# KiCad board rcbus-ymf262-panel.kicad_pcb (continued)
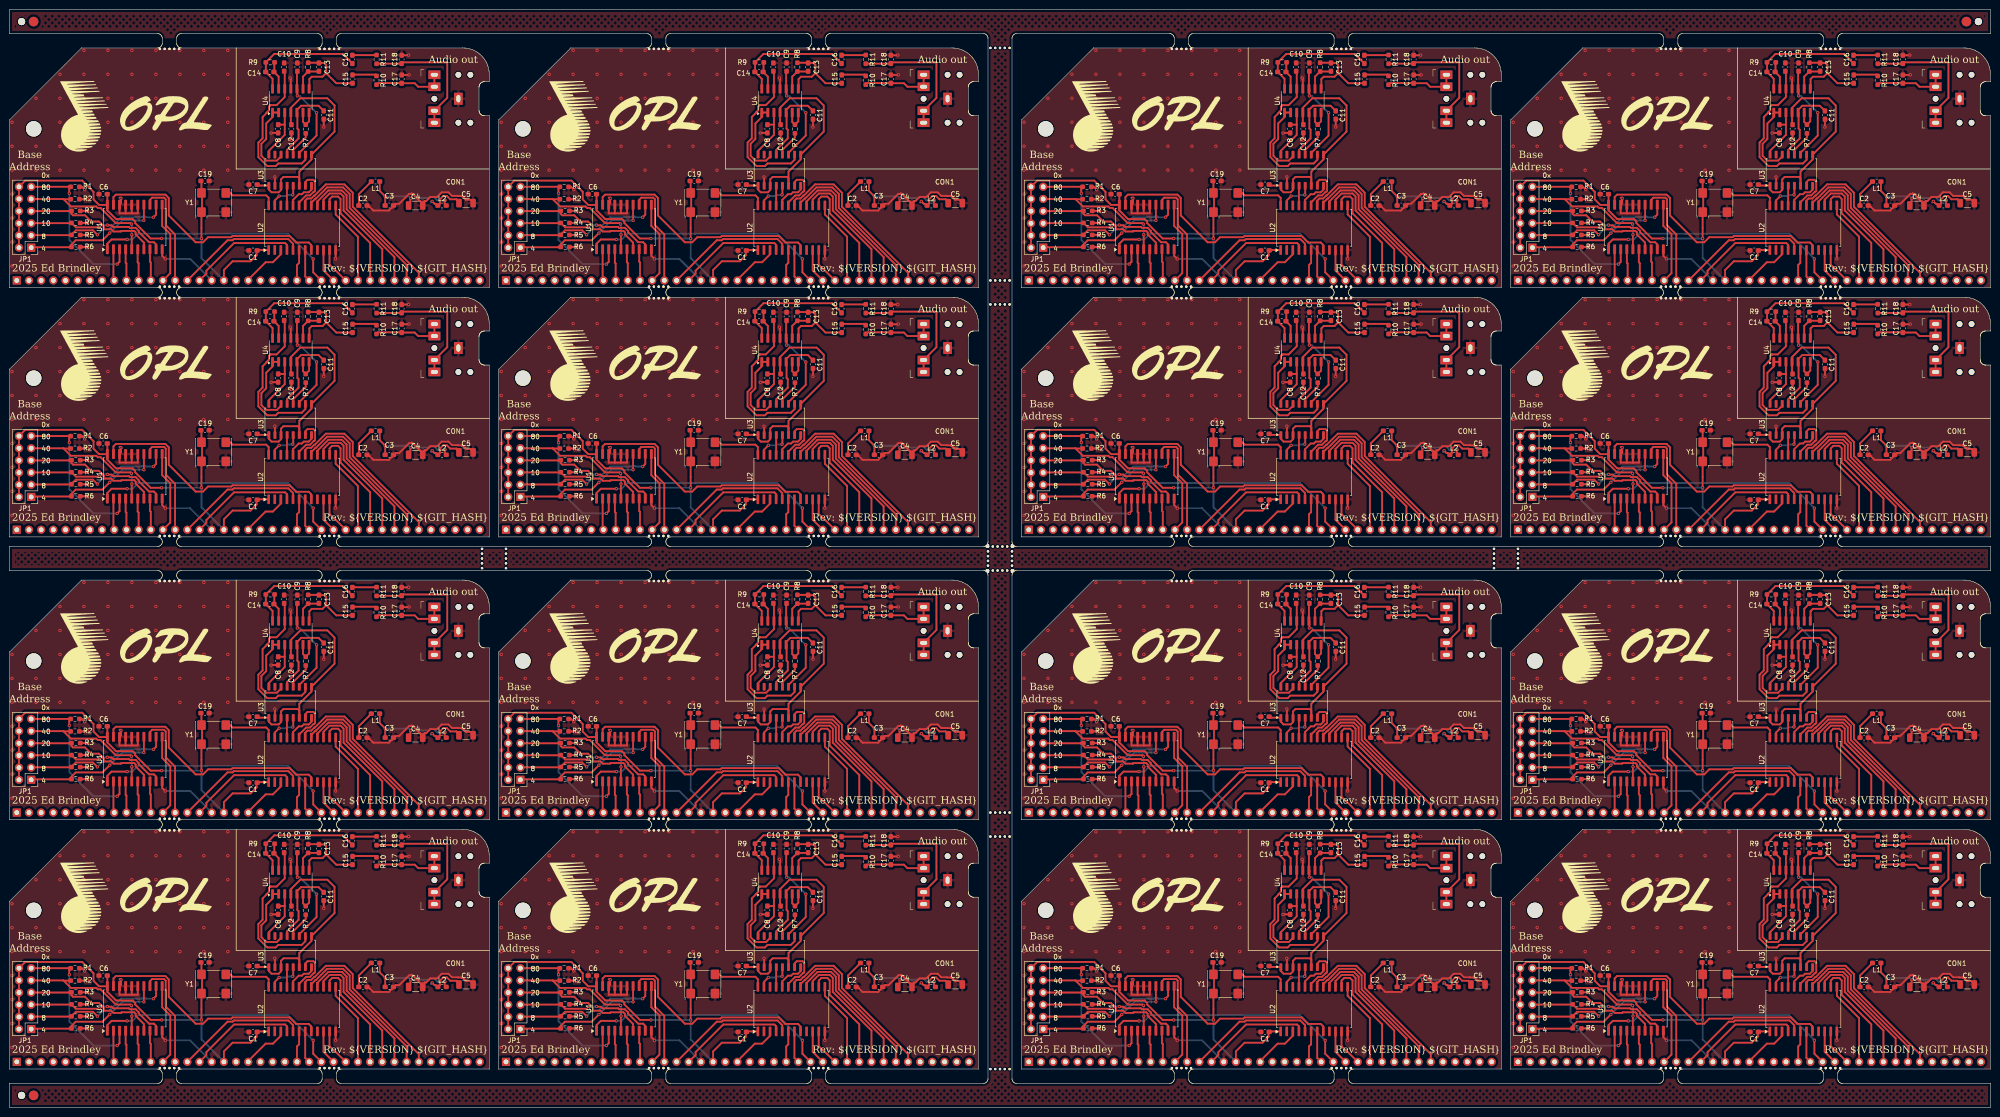
[diagram p0: board, top side]
## Nets (continued)
Board_15-/~{WR}: P1#3.24 U2#12.6
Board_15-GND: C1#16.2 C2#5.2 C3#9.2 C4.2 C5#7.2 C6#2.2 C7#7.2 C8#14.2 C9#16.2 C10#10.2 C11#13.2 C12#5.2 C17#8.2 C18#8.2 C19#6.2 CON1#16.S P1#3.17 R1#15.2 R2#7.2 R3#4.2 R4#7.2 R5#4.2 R6#2.2 U1#6.10 U1#6.15 U1#6.16 U1#6.17 U1#6.18 U2#12.12 U3#2.2 U4#10.11 Y1.2
Board_15-Net-(C3-Pad1): C3#9.1 C4.1 L1#3.1 L2#12.2
Board_15-Net-(C15-Pad2): C15#11.2 R10#5.1
Board_15-Net-(C16-Pad2): C16#14.2 R11#4.1
Board_15-Net-(C17-Pad1): C17#8.1 CON1#16.T CON1#16.TN R10#5.2
Board_15-Net-(C18-Pad1): C18#8.1 CON1#16.R CON1#16.RN R11#4.2
Board_15-Net-(JP1-Pin_1): JP1#5.1 R6#2.1 U1#6.14
Board_15-Net-(JP1-Pin_3): JP1#5.3 R5#4.1 U1#6.12
Board_15-Net-(JP1-Pin_5): JP1#5.5 R4#7.1 U1#6.9
Board_15-Net-(JP1-Pin_7): JP1#5.7 R3#4.1 U1#6.7
Board_15-Net-(JP1-Pin_9): JP1#5.9 R2#7.1 U1#6.5
Board_15-Net-(JP1-Pin_11): JP1#5.11 R1#15.1 U1#6.3
Board_15-Net-(U3-AOUT): C11#13.1 U3#2.13 U4#10.5
Board_15-Net-(U3-CV): C8#14.1 U3#2.16 U4#10.3
Board_15-Net-(U3-MP): U3#2.14 U4#10.1 U4#10.2
Board_15-Net-(U3-SWIN): R7#5.1 U3#2.12
Board_15-Net-(U4B--): R7#5.2 U4#10.6 U4#10.7
Board_15-Net-(U4C--): C13#2.2 R8#10.1 U4#10.9
Board_15-Net-(U4D--): C14#14.1 R9#8.1 U4#10.13
Board_15-unconnected-(P1-Pin_1-Pad1): P1#3.1
Board_15-unconnected-(P1-Pin_2-Pad2): P1#3.2
Board_15-unconnected-(P1-Pin_3-Pad3): P1#3.3
Board_15-unconnected-(P1-Pin_4-Pad4): P1#3.4
Board_15-unconnected-(P1-Pin_5-Pad5): P1#3.5
Board_15-unconnected-(P1-Pin_6-Pad6): P1#3.6
Board_15-unconnected-(P1-Pin_7-Pad7): P1#3.7
Board_15-unconnected-(P1-Pin_8-Pad8): P1#3.8
Board_15-unconnected-(P1-Pin_19-Pad19): P1#3.19
Board_15-unconnected-(P1-Pin_21-Pad21): P1#3.21
Board_15-unconnected-(P1-Pin_23-Pad23): P1#3.23
Board_15-unconnected-(P1-Pin_35-Pad35): P1#3.35
Board_15-unconnected-(P1-Pin_36-Pad36): P1#3.36
Board_15-unconnected-(P1-Pin_37-Pad37): P1#3.37
Board_15-unconnected-(P1-Pin_38-Pad38): P1#3.38
Board_15-unconnected-(P1-Pin_39-Pad39): P1#3.39
Board_15-unconnected-(U2-DOCD-Pad22): U2#12.22
Board_15-unconnected-(U2-TEST-Pad9): U2#12.9
Board_15-unconnected-(U2-~{IRQ}-Pad2): U2#12.2
Board_15-unconnected-(U3-TST2-Pad15): U3#2.15
Board_15-VCC: C1#16.1 C2#5.1 C6#2.1 C19#6.1 JP1#5.2 JP1#5.4 JP1#5.6 JP1#5.8 JP1#5.10 JP1#5.12 L1#3.2 P1#3.18 U1#6.20 U2#12.1 Y1.1 Y1.4

## Via types
v1: diameter 0.686, hole 0.33, Front to Back, 1520 vias

## Routing (per net, layer and track width the routed paths; a pad name or vN(x,y) marks a point on that pad's centre or on a via; arc(x,y) is an arc through that point)
Board_0-+5VA: length 56.5
  Front w0.381: C5.1 93.16,189.42 93.16,189.43 91.87,189.43 91.17,190.12 90.42,190.12 89.72,189.42 89.72,188.57 89.71,188.56 L2#15.1 88.81,188.5 88.59,188.5 v1(88.1,189) ; C7.1 51.81,192.3 54,192.3 U3#12.1 54.06,191.45 54.62,190.89 56.1,190.89 56.6,191.38 U3#12.3 56.6,193.6 57.1,194.1 60.11,194.1 60.4,193.8 U3#12.6 60.4,195.21 62.94,197.75 U3#12.9 67.75,203.56 67.75,209 66.25,210.5 60.61,210.5 58.64,208.52 U4#15.4 58.64,205.11 C12#11.1
  Back w0.381: v1(88.1,189) 87.82,188.72
Board_0-/A0: length 23
  Front w0.381: U2#11.4 57.82,179.93 57.45,180.3 46.8,180.3 41.02,174.52 41.02,173.92 P1.16
Board_0-/A1: length 27.3
  Front w0.381: P1.15 45.44,180.89 46.49,180.89 46.74,181.14 58.12,181.14 59.1,180.16 U2#11.5
Board_0-/A2: length 22.4
  Front w0.381: P1.14 34.5,172.52 34.5,182.09 32.56,184.04 32.56,189.43 32.21,189.77 29.72,189.77 29.27,189.33 U1#2.13
Board_0-/A3: length 17.1
  Front w0.381: 31.8,188.29 31.8,183.89 33.5,182.19 33.5,174.02 P1.13
Board_0-/A4: length 6.6
  Front w0.381: P1.12 29.44,176.26 29.27,176.43 29.27,178.94 29.3,178.97
Board_0-/A5: length 6.6
  Front w0.381: 26.7,178.97 26.7,176.3 26.9,176.1 P1.11
Board_0-/A6: length 6.6
  Front w0.381: 24.2,178.99 24.2,176.2 24.36,176.04 P1.10
Board_0-/A7: length 6.6
  Front w0.381: P1.9 21.65,172.67 U1#2.2
Board_0-/AUDIO_CH1: length 33.2
  Front w0.381: C10#11.1 57.37,216.02 U4#15.12 57.37,210.77 55.67,209.07 54.44,209.07 54.44,209.07 54.41,209.07 54.41,209.06 54.38,209.06 54.37,209.05 54.36,209.05 54.34,209.03 54.33,209.03 54.08,208.78 54.08,208 53.6,207.52 53.6,207.48 53.59,207.47 53.59,207.44 52.75,206.59 52.75,202.15 51.87,201.26 51.87,198.24 53.74,196.37 55.48,196.37 56.02,196.9 60.9,196.9 61.68,197.68 U3#12.10
Board_0-/AUDIO_CH2: length 20.9
  Front w0.381: U3#12.11 60.4,199.13 64,202.72 v1(64,207.5) ; C9#9.1 59.91,216.05 U4#15.10 60,212.38 v1(60,211)
  Back w0.381: v1(64,207.5) 60.5,211 v1(60,211)
Board_0-/CLK: length 10.9
  Front w0.381: U2#11.24 54.01,189.74 53.5,190.25 46.48,190.25 45.38,191.35
Board_0-/D0: length 7.2
  Front w0.381: P1.27 65.44,174.6 U2#11.10
Board_0-/D1: length 7.8
  Front w0.381: 66.7,178.84 66.7,175.79 67.67,174.81 67.77,174.81 P1.28
Board_0-/D2: length 17.6
  Front w0.381: P1.29 72.62,181.63 67.99,186.27 U2#11.13
Board_0-/D3: length 23.6
  Front w0.381: U2#11.14 66.71,189.47 67.25,190 68.5,190 69,189.5 69,186.5 75.16,180.34 P1.30
Board_0-/D4: length 27
  Front w0.381: U2#11.15 65.44,189.35 66.73,190.64 69.01,190.64 69.63,190.01 69.63,187.1 77.7,179.03 P1.31
Board_0-/D5: length 30.2
  Front w0.381: U2#11.16 64.18,188.98 66.46,191.27 69.28,191.27 70.27,190.28 70.27,187.36 80.24,177.39 P1.32
Board_0-/D6: length 33.4
  Front w0.381: U2#11.17 62.9,188.71 63.79,189.6 63.89,189.6 66.2,191.91 69.54,191.91 70.91,190.54 70.91,187.62 82.78,175.75 P1.33
Board_0-/D7: length 37
  Front w0.381: P1.34 85.32,174.11 71.54,187.89 71.54,190.8 69.8,192.54 65.94,192.54 63.63,190.23 63.52,190.23 62.89,189.6 62.08,189.6 61.63,189.15 U2#11.18
Board_0-/DAC_CLK: length 7.2
  Front w0.381: v1(59.04,190.36) 59.13,190.45 U3#12.5 ; U2#11.23 55.29,189.19 v1(56.2,190.1)
  Back w0.381: v1(59.04,190.36) 58.98,190.3 57.93,190.3 57.73,190.1 v1(56.2,190.1)
Board_0-/DOAB: length 4.1
  Front w0.381: U2#11.21 57.82,192.21 U3#12.4
Board_0-/L: length 18.1
  Front w0.381: C15#8.1 68.11,213.64 66,215.75 ; U4#15.8 62.5,212.53 62.5,214.5 63,215 65.25,215 66,215.75 ; 66,215.75 66,217.5 65.64,217.86 C13#4.1 64.45,217.91 R8#15.2
Board_0-/R: length 25.7
  Front w0.381: C16#13.1 69.46,219.75 55.18,219.75 R9.2 53.43,216.04 C14.2 54.83,214.56 U4#15.14
Board_0-/SMPAC: length 6.7
  Front w0.381: U2#11.20 59.1,189.3 60.28,190.49 60.94,190.49 61.34,190.89 62.38,190.89 62.94,191.45 U3#12.8
Board_0-/SMPBD: length 10.1
  Front w0.381: U2#11.19 60.37,188.78 61.82,190.23 62.63,190.23 63.4,191 63.5,191 63.69,191.2 63.69,193.15 63.35,193.5 62.12,193.5 61.68,193.05 U3#12.7
Board_0-/~{CS}: length 51.7
  Front w0.381: U1#2.19 21.65,189.9 22.15,190.41 32.47,190.41 33.19,189.69 33.19,186.06 38.79,180.46 40.33,180.46 41.38,181.52 46.22,181.52 46.47,181.77 58.38,181.77 59.73,180.42 62.38,180.42 62.9,179.9 U2#11.8
Board_0-/~{IORQ}: length 52.4
  Front w0.381: v1(63.3,177) 63.3,174.2 P1.26 ; v1(24.5,181.05) 21.26,181.05 20.38,180.17 U1#2.1
  Back w0.381: v1(24.5,181.05) 25.6,181.05 26.8,182.25 36.39,182.25 36.42,182.21 37.08,182.21 37.11,182.25 58.05,182.25 v1(63.3,177)
Board_0-/~{RD}: length 6.7
  Front w0.381: U2#11.7 61.63,173.33 P1.25
Board_0-/~{RESET}: length 9.8
  Front w0.381: 56.5,178.8 56.56,178.74 56.56,177.96 54.9,176.3 53.39,176.3 49.76,172.68
Board_0-/~{WR}: length 6.5
  Front w0.381: U2#11.6 60.37,176.17 59.92,175.72 P1.24
Board_0-GND: length 76.5
  Front w0.381: R6#13.2 16.18,179.48 v1(16.2,179.5) ; v1(83.2,219.51) 83.16,219.48 C18#9.2 ; 25.5,186.5 25.46,186.54 U1#2.16 ; 25.5,186.5 26.73,186.5 26.73,187.84 ; 25.5,186.5 24.2,186.5 ; C12#11.2 v1(58.75,201.75) ; v1(16.2,182) 16.19,181.99 R5#16.2 ; 22.92,187.71 22.92,186.5 24.2,186.5 ; 24.2,186.5 24.19,186.51 U1#2.17 ; C17.2 83.26,215.36 v1(83.3,215.4) ; 42.67,172.5 P1.17 ; R2#13.2 16.14,189.44 v1(16.2,189.5) ; U1#2.10 31.81,177.64 v1(32.46,177) ; R4.2 v1(16.2,184.5) ; R3#13.2 16.19,187.01 v1(16.2,187) ; C11#8.2 v1(65.5,204.5) ; v1(54.5,203.25) 54.52,203.28 C8#11.2 ; R1#13.2 15.06,192.03 v1(15.64,191.44) ; C2#6.2 75.06,187.85 75.07,187.85 75.83,187.09 79.11,187.09 79.68,187.66 79.68,187.67 C3#3.2 80.52,188.5 80.53,188.51 81.24,188.51 83.28,190.55 83.68,190.55 83.81,190.67 83.94,190.55 84.04,190.55 85.58,189.01 85.66,189.01 85.68,188.99 C4#6.2 86.52,189.02 86.52,189.03 86.54,189.06 86.87,189.06 87.72,189.91 89.13,189.91 90.1,190.88 91.49,190.88 92.23,190.14 93.45,190.14 93.49,190.11 94.25,190.11 94.26,190.1 94.3,190.1 94.31,190.09 94.35,190.09 94.38,190.06 94.39,190.06 94.42,190.03 94.43,190.03 95.13,189.33 96.08,189.33 C5.2 ; U4#15.11 58.64,214.61 v1(58.5,214.75) ; U3#12.2 55.32,194.08 v1(55.3,194.1) ; U1#2.18 23.23,188.61 v1(23.23,189.62) 23.23,189.77 22.92,189.77 ; U2#11.12 v1(67.99,177)
  Back w0.381: P1.17 37.64,177 v1(32.46,177)
  vias: v1(0.5,205.5) v1(0.5,200.5) v1(0.5,195.5) v1(0.5,190.5) v1(0.5,185.5) v1(0.5,180.5) v1(0.5,175.5) v1(5.5,210.5) v1(5.5,200.5) v1(5.5,195.5) v1(10.5,215.5) v1(10.5,210.5) v1(10.5,205.5) v1(10.5,200.5) v1(10.5,195.5) v1(15.5,220.5) v1(15.5,215.5) v1(15.5,210.5) v1(15.5,205.5) v1(15.5,200.5) v1(15.5,195.5) v1(20.5,220.5) v1(20.5,215.5) v1(20.5,210.5) v1(20.5,205.5) v1(20.5,200.5) v1(20.5,195.5) v1(25.5,220.5) v1(25.5,215.5) v1(25.5,210.5) v1(25.5,205.5) v1(25.5,200.5) v1(25.5,195.5) v1(30.5,220.5) v1(30.5,215.5) v1(30.5,210.5) v1(30.5,205.5) v1(30.5,200.5) v1(30.5,195.5) v1(35.5,220.5) v1(35.5,215.5) v1(35.5,210.5) v1(35.5,205.5) v1(35.5,200.5) v1(35.5,195.5) v1(40.5,220.5) v1(40.5,215.5) v1(40.5,210.5) v1(40.5,205.5) v1(40.5,200.5) v1(40.5,195.5) v1(45.5,220.5) v1(45.5,215.5) v1(45.5,210.5) v1(45.5,205.5) v1(45.5,200.5) v1(45.5,195.5)
Board_0-Net-(C3-Pad1): length 21.1
  Front w0.381: v1(90.79,189.21) 90.71,189.12 90.71,188.6 L2#15.2 ; L1#14.1 77.17,191.18 v1(78.32,190.03) 78.32,188.52 78.41,188.42 ; C4#6.1 83.57,189.02 83.57,189.54 v1(83.66,189.63)
  Back w0.381: v1(90.79,189.21) 89.18,189.21 88.47,189.91 87.72,189.91 87.44,189.63 v1(83.66,189.63) 83.26,190.03 v1(78.32,190.03)
Board_0-Net-(C15-Pad2): length 5.1
  Front w0.381: R10#11.1 76.22,215.44 71.58,215.44 C15#8.2
Board_0-Net-(C16-Pad2): length 4.5
  Front w0.381: 76.23,219.5 71.75,219.5
Board_0-Net-(C17-Pad1): length 15
  Front w0.381: R10#11.2 76.84,213.68 81.5,213.68 81.54,213.64 C17.1 84.46,213.64 85.19,212.91 CON1#12.TN CON1#12.T
Board_0-Net-(C18-Pad1): length 28
  Front w0.381: C18#9.1 81.99,218 91.25,218 91.25,210.59 CON1#12.RN CON1#12.R ; 81.45,217.73 76.8,217.73
Board_0-Net-(JP1-Pin_1): length 28.7
  Front w0.381: U1#2.14 v1(28,185.03) ; 5.16,179.43 12.6,179.43 R6#13.1 12.9,180 13.78,180.88 19.36,180.88 v1(20.87,182.38)
  Back w0.381: v1(28,185.03) 25.94,185.03 25.92,185.05 23.53,185.05 v1(20.87,182.38)
Board_0-Net-(JP1-Pin_3): length 30.8
  Front w0.381: v1(30,185.68) 30.54,186.22 U1#2.12 ; JP1#13.3 4.56,181.94 12.6,181.94 R5#16.1 13.28,182.42 13.8,182.95 17.39,182.95 v1(18.31,182.03)
  Back w0.381: v1(18.31,182.03) 19.45,183.17 20.76,183.17 23.27,185.68 27.54,185.68 27.67,185.81 28.33,185.81 28.46,185.68 v1(30,185.68)
Board_0-Net-(JP1-Pin_5): length 29.4
  Front w0.381: U1#2.9 30.54,180.03 30.09,180.47 29.08,180.47 26.92,182.63 26.92,182.84 26.29,183.47 25.07,183.47 24.87,183.67 21.59,183.67 21.26,184 20.42,184 v1(20.37,184.05) ; JP1#13.5 4.53,184.45 12.6,184.45 R4.1 13.82,183.58 18.64,183.58 v1(18.68,183.62)
  Back w0.381: v1(20.37,184.05) 19.1,184.05 v1(18.68,183.62)
Board_0-Net-(JP1-Pin_7): length 28.1
  Front w0.381: JP1#13.7 12.33,186.96 12.33,186.96 12.6,186.96 R3#13.1 12.9,186.4 13.21,186.09 15.72,186.09 17.02,184.79 18.62,184.79 19.63,183.78 19.63,183.25 19.71,183.17 21.19,183.17 21.65,182.71 23.21,182.71 23.34,182.84 25.99,182.84 26.29,182.54 26.29,182.11 28,180.4 28,179.6
Board_0-Net-(JP1-Pin_9): length 29.9
  Front w0.381: U1#2.5 25.46,182.03 v1(25.48,182.05) ; 11.22,189.49 12.77,187.93 18.08,187.93 18.38,187.63 18.97,187.63 22.14,184.46 25.2,184.46 v1(25.4,184.26) ; 11.22,189.49 4.51,189.49 ; 11.22,189.49 11.27,189.44 R2#13.1
  Back w0.381: v1(25.48,182.05) 25.48,184.17 v1(25.4,184.26)
Board_0-Net-(JP1-Pin_11): length 34.5
  Front w0.381: v1(22.44,175.9) 22.92,176.38 U1#2.3 ; v1(12.46,190.69) 12.43,190.71 12.43,191.56 R1#13.1 ; 12.43,192.04 JP1#13.11
  Back w0.381: v1(22.44,175.9) 17.49,175.9 12.46,180.93 v1(12.46,190.69)
Board_0-Net-(U3-AOUT): length 16.9
  Front w0.381: C11#8.1 64.42,208.95 60.78,208.95 59.91,208.08 U4#15.5 60,207.43 60,204.19 60.25,203.94 60.25,202.14 57.87,199.75 U3#12.13
Board_0-Net-(U3-CV): length 11.5
  Front w0.381: C8#11.1 57.37,205 ; 57.37,205 57.37,202.86 54.06,199.55 U3#12.16 ; 57.37,205 U4#15.3
Board_0-Net-(U3-MP): length 16.3
  Front w0.381: U4#15.1 54.83,206.58 53.5,205.25 53.5,202 52.5,201 52.5,198.5 53.5,197.51 55.73,197.51 56.6,198.37 U3#12.14 ; 55.99,207.53 54.94,207.53
Board_0-Net-(U3-SWIN): length 5.5
  Front w0.381: R7#4.1 61.75,202.34 59.13,199.72 U3#12.12
Board_0-Net-(U4B--): length 5.6
  Front w0.381: U4#15.6 61.18,205.57 R7#4.2 62.45,205.7 U4#15.7
Board_0-Net-(U4C--): length 6.3
  Front w0.381: U4#15.9 61.18,215.02 62.25,216.09 64.45,216.09 C13#4.2
Board_0-Net-(U4D--): length 6
  Front w0.381: R9.1 55.2,217.72 55.2,216.08 C14.1 56.1,215.02 U4#15.13
Board_0-VCC: length 103.5
  Front w0.381: C6#6.1 20.38,190.48 U1#2.20 20.38,187.12 22.19,185.31 25.66,185.31 26.18,184.79 26.18,184.48 29.41,181.25 v1(31.71,181.25) ; C2#6.1 72.82,188.15 72.82,190.52 75,192.7 L1#14.2 ; 20.33,188.26 18.65,188.26 17.5,189.41 17.5,190.98 15.14,193.34 3.26,193.34 JP1#13.12 JP1#13.2 ; Y1#9.4 40,193.14 C19#13.1 ; 40.12,191.35 40.12,186.15 40,186.03 v1(40,181.25) ; P1.18 44.68,174.68 46.5,176.5 50.25,176.5 51.5,177.75 51.5,178.75 C1#6.1 51.71,178.85 U2#11.1
  Back w0.381: P1.18 40,177.18 v1(40,181.25) v1(31.71,181.25)
Board_1-+5VA: length 56.5
  Front w0.381: v1(190.1,189) 190.59,188.5 190.81,188.5 L2#10.1 191.71,188.56 191.72,188.57 191.72,189.42 192.42,190.12 193.17,190.12 193.87,189.43 195.16,189.43 195.16,189.42 C5#3.1 ; C12#8.1 160.64,205.11 U4#14.4 160.64,208.52 162.61,210.5 168.25,210.5 169.75,209 169.75,203.56 U3#7.9 164.95,197.75 162.4,195.21 U3#7.6 162.4,193.8 162.11,194.1 159.1,194.1 158.6,193.6 U3#7.3 158.6,191.38 158.1,190.89 156.62,190.89 156.05,191.45 U3#7.1 156,192.3 153.81,192.3 C7#14.1
  Back w0.381: v1(190.1,189) 189.82,188.72
Board_1-/A0: length 23
  Front w0.381: P1#7.16 143.02,173.92 143.02,174.52 148.8,180.3 159.45,180.3 159.83,179.93 U2#16.4
Board_1-/A1: length 27.3
  Front w0.381: U2#16.5 161.1,180.16 160.12,181.14 148.74,181.14 148.49,180.89 147.45,180.89 P1#7.15
Board_1-/A2: length 22.4
  Front w0.381: U1#3.13 131.27,189.33 131.72,189.77 134.21,189.77 134.56,189.43 134.56,184.04 136.5,182.09 136.5,172.52 P1#7.14
Board_1-/A3: length 17.1
  Front w0.381: 133.8,188.29 133.8,183.89 135.5,182.19 135.5,174.02 P1#7.13
Board_1-/A4: length 6.6
  Front w0.381: P1#7.12 131.44,176.26 131.27,176.43 131.27,178.94 131.3,178.97
Board_1-/A5: length 6.6
  Front w0.381: P1#7.11 128.9,176.1 128.7,176.3 128.7,178.97
Board_1-/A6: length 6.6
  Front w0.381: 126.2,178.99 126.2,176.2 126.36,176.04 P1#7.10
Board_1-/A7: length 6.6
  Front w0.381: U1#3.2 123.65,172.67 P1#7.9
Board_1-/AUDIO_CH1: length 33.2
  Front w0.381: U3#7.10 163.67,197.68 162.9,196.9 158.02,196.9 157.48,196.37 155.74,196.37 153.87,198.24 153.87,201.26 154.75,202.15 154.75,206.59 155.59,207.44 155.59,207.47 155.6,207.48 155.6,207.52 156.08,208 156.08,208.78 156.33,209.03 156.34,209.03 156.36,209.05 156.37,209.05 156.38,209.06 156.41,209.06 156.41,209.07 156.44,209.07 156.44,209.07 157.67,209.07 159.37,210.77 U4#14.12 159.37,216.02 C10#15.1
Board_1-/AUDIO_CH2: length 20.9
  Front w0.381: v1(162,211) 162,212.38 U4#14.10 161.91,216.05 C9#5.1 ; v1(166,207.5) 166,202.72 162.4,199.13 U3#7.11
  Back w0.381: v1(166,207.5) 162.5,211 v1(162,211)
Board_1-/CLK: length 10.9
  Front w0.381: 147.38,191.35 148.48,190.25 155.5,190.25 156.01,189.74 U2#16.24
Board_1-/D0: length 7.2
  Front w0.381: P1#7.27 167.45,174.6 U2#16.10
Board_1-/D1: length 7.8
  Front w0.381: 168.7,178.84 168.7,175.79 169.67,174.81 169.77,174.81 P1#7.28
Board_1-/D2: length 17.6
  Front w0.381: U2#16.13 169.99,186.27 174.62,181.63 P1#7.29
Board_1-/D3: length 23.6
  Front w0.381: P1#7.30 177.16,180.34 171,186.5 171,189.5 170.5,190 169.25,190 168.72,189.47 U2#16.14
Board_1-/D4: length 27
  Front w0.381: P1#7.31 179.7,179.03 171.63,187.1 171.63,190.01 171.01,190.64 168.73,190.64 167.45,189.35 U2#16.15
Board_1-/D5: length 30.2
  Front w0.381: P1#7.32 182.24,177.39 172.27,187.36 172.27,190.28 171.28,191.27 168.46,191.27 166.17,188.98 U2#16.16
Board_1-/D6: length 33.4
  Front w0.381: P1#7.33 184.78,175.75 172.91,187.62 172.91,190.54 171.54,191.91 168.2,191.91 165.89,189.6 165.79,189.6 164.9,188.71 U2#16.17
Board_1-/D7: length 37
  Front w0.381: U2#16.18 163.63,189.15 164.08,189.6 164.89,189.6 165.52,190.23 165.63,190.23 167.94,192.54 171.8,192.54 173.54,190.8 173.54,187.89 187.32,174.11 P1#7.34
Board_1-/DAC_CLK: length 7.2
  Front w0.381: U2#16.23 157.28,189.19 v1(158.2,190.1) ; v1(161.04,190.36) 161.13,190.45 U3#7.5
  Back w0.381: v1(161.04,190.36) 160.98,190.3 159.93,190.3 159.73,190.1 v1(158.2,190.1)
Board_1-/DOAB: length 4.1
  Front w0.381: U2#16.21 159.83,192.21 U3#7.4
Board_1-/L: length 18.1
  Front w0.381: R8#14.2 166.45,217.91 C13#7.1 167.64,217.86 168,217.5 168,215.75 ; U4#14.8 164.5,212.53 164.5,214.5 165,215 167.25,215 168,215.75 ; 168,215.75 170.11,213.64 C15#6.1
Board_1-/R: length 25.7
  Front w0.381: C16#16.1 171.46,219.75 157.17,219.75 R9#14.2 155.42,216.04 C14#13.2 156.83,214.56 U4#14.14
Board_1-/SMPAC: length 6.7
  Front w0.381: U2#16.20 161.1,189.3 162.28,190.49 162.94,190.49 163.34,190.89 164.38,190.89 164.95,191.45 U3#7.8
Board_1-/SMPBD: length 10.1
  Front w0.381: U2#16.19 162.37,188.78 163.82,190.23 164.63,190.23 165.4,191 165.5,191 165.69,191.2 165.69,193.15 165.35,193.5 164.12,193.5 163.67,193.05 U3#7.7
Board_1-/~{CS}: length 51.7
  Front w0.381: U1#3.19 123.65,189.9 124.15,190.41 134.47,190.41 135.19,189.69 135.19,186.06 140.79,180.46 142.33,180.46 143.38,181.52 148.22,181.52 148.47,181.77 160.38,181.77 161.73,180.42 164.38,180.42 164.9,179.9 U2#16.8
Board_1-/~{IORQ}: length 52.4
  Front w0.381: P1#7.26 165.3,174.2 v1(165.3,177) ; U1#3.1 122.38,180.17 123.26,181.05 v1(126.5,181.05)
  Back w0.381: v1(165.3,177) 160.05,182.25 139.11,182.25 139.08,182.21 138.42,182.21 138.39,182.25 128.8,182.25 127.6,181.05 v1(126.5,181.05)
Board_1-/~{RD}: length 6.7
  Front w0.381: P1#7.25 163.63,173.33 U2#16.7
Board_1-/~{RESET}: length 9.8
  Front w0.381: 151.76,172.68 155.39,176.3 156.9,176.3 158.55,177.96 158.55,178.74 158.5,178.8
Board_1-/~{WR}: length 6.5
  Front w0.381: P1#7.24 161.92,175.72 162.37,176.17 U2#16.6
Board_1-GND: length 76.5
  Front w0.381: 144.67,172.5 P1#7.17 ; v1(118.2,187) 118.19,187.01 R3#5.2 ; v1(117.64,191.44) 117.06,192.03 R1#11.2 ; v1(160.5,214.75) 160.64,214.61 U4#14.11 ; v1(157.3,194.1) 157.33,194.08 U3#7.2 ; U2#16.12 v1(169.99,177) ; C11#15.2 v1(167.5,204.5) ; R4#5.2 v1(118.2,184.5) ; v1(156.5,203.25) 156.52,203.28 C8#2.2 ; v1(118.2,189.5) 118.14,189.44 R2#10.2 ; v1(134.46,177) 133.81,177.64 U1#3.10 ; U1#3.17 126.19,186.51 126.2,186.5 ; v1(185.3,215.4) 185.26,215.36 C17#6.2 ; 128.73,187.84 128.73,186.5 127.5,186.5 ; 124.92,189.77 125.23,189.77 v1(125.23,189.62) 125.23,188.61 U1#3.18 ; C5#3.2 198.08,189.33 197.13,189.33 196.43,190.03 196.42,190.03 196.39,190.06 196.38,190.06 196.35,190.09 196.31,190.09 196.3,190.1 196.26,190.1 196.25,190.11 195.49,190.11 195.45,190.14 194.23,190.14 193.49,190.88 192.1,190.88 191.13,189.91 189.72,189.91 188.87,189.06 188.54,189.06 188.52,189.03 188.52,189.02 C4#9.2 187.68,188.99 187.66,189.01 187.58,189.01 186.04,190.55 185.94,190.55 185.81,190.67 185.68,190.55 185.28,190.55 183.24,188.51 182.53,188.51 182.52,188.5 C3#11.2 181.68,187.67 181.68,187.66 181.11,187.09 177.83,187.09 177.07,187.85 177.06,187.85 C2#8.2 ; 126.2,186.5 124.92,186.5 124.92,187.71 ; 126.2,186.5 127.5,186.5 ; 127.5,186.5 127.46,186.54 U1#3.16 ; C12#8.2 v1(160.75,201.75) ; v1(118.2,182) 118.19,181.99 R5#3.2 ; R6#12.2 118.18,179.48 v1(118.2,179.5) ; C18#10.2 185.16,219.48 v1(185.2,219.51)
  Back w0.381: v1(134.46,177) 139.64,177 P1#7.17
  vias: v1(102.5,205.5) v1(102.5,200.5) v1(102.5,195.5) v1(102.5,190.5) v1(102.5,185.5) v1(102.5,180.5) v1(102.5,175.5) v1(107.5,210.5) v1(107.5,200.5) v1(107.5,195.5) v1(112.5,215.5) v1(112.5,210.5) v1(112.5,205.5) v1(112.5,200.5) v1(112.5,195.5) v1(117.5,220.5) v1(117.5,215.5) v1(117.5,210.5) v1(117.5,205.5) v1(117.5,200.5) v1(117.5,195.5) v1(122.5,220.5) v1(122.5,215.5) v1(122.5,210.5) v1(122.5,205.5) v1(122.5,200.5) v1(122.5,195.5) v1(127.5,220.5) v1(127.5,215.5) v1(127.5,210.5) v1(127.5,205.5) v1(127.5,200.5) v1(127.5,195.5) v1(132.5,220.5) v1(132.5,215.5) v1(132.5,210.5) v1(132.5,205.5) v1(132.5,200.5) v1(132.5,195.5) v1(137.5,220.5) v1(137.5,215.5) v1(137.5,210.5) v1(137.5,205.5) v1(137.5,200.5) v1(137.5,195.5) v1(142.5,220.5) v1(142.5,215.5) v1(142.5,210.5) v1(142.5,205.5) v1(142.5,200.5) v1(142.5,195.5) v1(147.5,220.5) v1(147.5,215.5) v1(147.5,210.5) v1(147.5,205.5) v1(147.5,200.5) v1(147.5,195.5)
Board_1-Net-(C3-Pad1): length 21.1
  Front w0.381: L2#10.2 192.71,188.6 192.71,189.12 v1(192.79,189.21) ; 180.41,188.42 180.32,188.52 v1(180.32,190.03) 179.17,191.18 L1#15.1 ; v1(185.66,189.63) 185.57,189.54 185.57,189.02 C4#9.1
  Back w0.381: v1(192.79,189.21) 191.18,189.21 190.47,189.91 189.72,189.91 189.44,189.63 v1(185.66,189.63) 185.26,190.03 v1(180.32,190.03)
Board_1-Net-(C15-Pad2): length 5.1
  Front w0.381: R10#13.1 178.22,215.44 173.58,215.44 C15#6.2
Board_1-Net-(C16-Pad2): length 4.5
  Front w0.381: 173.75,219.5 178.23,219.5
Board_1-Net-(C17-Pad1): length 15
  Front w0.381: CON1#11.T CON1#11.TN 187.2,212.91 186.46,213.64 C17#6.1 183.54,213.64 183.5,213.68 178.84,213.68 R10#13.2
Board_1-Net-(C18-Pad1): length 28
  Front w0.381: 178.8,217.73 183.45,217.73 ; C18#10.1 183.99,218 193.25,218 193.25,210.59 CON1#11.RN CON1#11.R
Board_1-Net-(JP1-Pin_1): length 28.7
  Front w0.381: 107.16,179.43 114.6,179.43 R6#12.1 114.9,180 115.78,180.88 121.36,180.88 v1(122.87,182.38) ; U1#3.14 v1(130,185.03)
  Back w0.381: v1(122.87,182.38) 125.53,185.05 127.92,185.05 127.94,185.03 v1(130,185.03)
Board_1-Net-(JP1-Pin_3): length 30.8
  Front w0.381: v1(120.31,182.03) 119.39,182.95 115.8,182.95 115.28,182.42 R5#3.1 114.6,181.94 106.56,181.94 JP1#4.3 ; v1(132,185.68) 132.54,186.22 U1#3.12
  Back w0.381: v1(120.31,182.03) 121.45,183.17 122.76,183.17 125.27,185.68 129.54,185.68 129.67,185.81 130.33,185.81 130.46,185.68 v1(132,185.68)
Board_1-Net-(JP1-Pin_5): length 29.4
  Front w0.381: v1(120.68,183.62) 120.64,183.58 115.82,183.58 R4#5.1 114.6,184.45 106.53,184.45 JP1#4.5 ; v1(122.37,184.05) 122.42,184 123.26,184 123.59,183.67 126.87,183.67 127.07,183.47 128.29,183.47 128.92,182.84 128.92,182.63 131.08,180.47 132.09,180.47 132.54,180.03 U1#3.9
  Back w0.381: v1(122.37,184.05) 121.1,184.05 v1(120.68,183.62)
Board_1-Net-(JP1-Pin_7): length 28.1
  Front w0.381: JP1#4.7 114.33,186.96 114.33,186.96 114.6,186.96 R3#5.1 114.9,186.4 115.21,186.09 117.72,186.09 119.02,184.79 120.62,184.79 121.63,183.78 121.63,183.25 121.71,183.17 123.19,183.17 123.65,182.71 125.21,182.71 125.34,182.84 127.99,182.84 128.29,182.54 128.29,182.11 130,180.4 130,179.6
Board_1-Net-(JP1-Pin_9): length 29.9
  Front w0.381: R2#10.1 113.27,189.44 113.22,189.49 ; 113.22,189.49 114.77,187.93 120.08,187.93 120.38,187.63 120.97,187.63 124.14,184.46 127.2,184.46 v1(127.4,184.26) ; 113.22,189.49 106.51,189.49 ; U1#3.5 127.46,182.03 v1(127.48,182.05)
  Back w0.381: v1(127.4,184.26) 127.48,184.17 v1(127.48,182.05)
Board_1-Net-(JP1-Pin_11): length 34.5
  Front w0.381: v1(114.46,190.69) 114.43,190.71 114.43,191.56 R1#11.1 ; 114.43,192.04 JP1#4.11 ; U1#3.3 124.92,176.38 v1(124.44,175.9)
  Back w0.381: v1(124.44,175.9) 119.49,175.9 114.46,180.93 v1(114.46,190.69)
Board_1-Net-(U3-AOUT): length 16.9
  Front w0.381: U3#7.13 159.87,199.75 162.25,202.14 162.25,203.94 162,204.19 162,207.43 U4#14.5 161.91,208.08 162.78,208.95 166.42,208.95 C11#15.1
Board_1-Net-(U3-CV): length 11.5
  Front w0.381: 159.37,205 159.37,202.86 156.05,199.55 U3#7.16 ; 159.37,205 U4#14.3 ; 159.37,205 C8#2.1
Board_1-Net-(U3-MP): length 16.3
  Front w0.381: 156.94,207.53 157.99,207.53 ; U4#14.1 156.83,206.58 155.5,205.25 155.5,202 154.5,201 154.5,198.5 155.5,197.51 157.73,197.51 158.6,198.37 U3#7.14
Board_1-Net-(U3-SWIN): length 5.5
  Front w0.381: U3#7.12 161.13,199.72 163.75,202.34 R7#7.1
Board_1-Net-(U4B--): length 5.6
  Front w0.381: U4#14.7 164.45,205.7 R7#7.2 163.18,205.57 U4#14.6
Board_1-Net-(U4C--): length 6.3
  Front w0.381: C13#7.2 166.45,216.09 164.25,216.09 163.18,215.02 U4#14.9
Board_1-Net-(U4D--): length 6
  Front w0.381: U4#14.13 158.1,215.02 C14#13.1 157.2,216.08 157.2,217.72 R9#14.1
Board_1-VCC: length 103.5
  Front w0.381: JP1#4.2 JP1#4.12 105.26,193.34 117.14,193.34 119.5,190.98 119.5,189.41 120.65,188.26 122.33,188.26 ; Y1#7.4 142,193.14 C19#9.1 ; C6#11.1 122.38,190.48 U1#3.20 122.38,187.12 124.19,185.31 127.66,185.31 128.18,184.79 128.18,184.48 131.41,181.25 v1(133.71,181.25) ; U2#16.1 153.71,178.85 C1#4.1 153.5,178.75 153.5,177.75 152.25,176.5 148.5,176.5 146.68,174.68 P1#7.18 ; C2#8.1 174.82,188.15 174.82,190.52 177,192.7 L1#15.2 ; v1(142,181.25) 142,186.03 142.12,186.15 142.12,191.35
  Back w0.381: P1#7.18 142,177.18 v1(142,181.25) v1(133.71,181.25)
